# Altium PCB IDC_MCX_Adapter.PCBDOC (part 1 of 2) (continued)
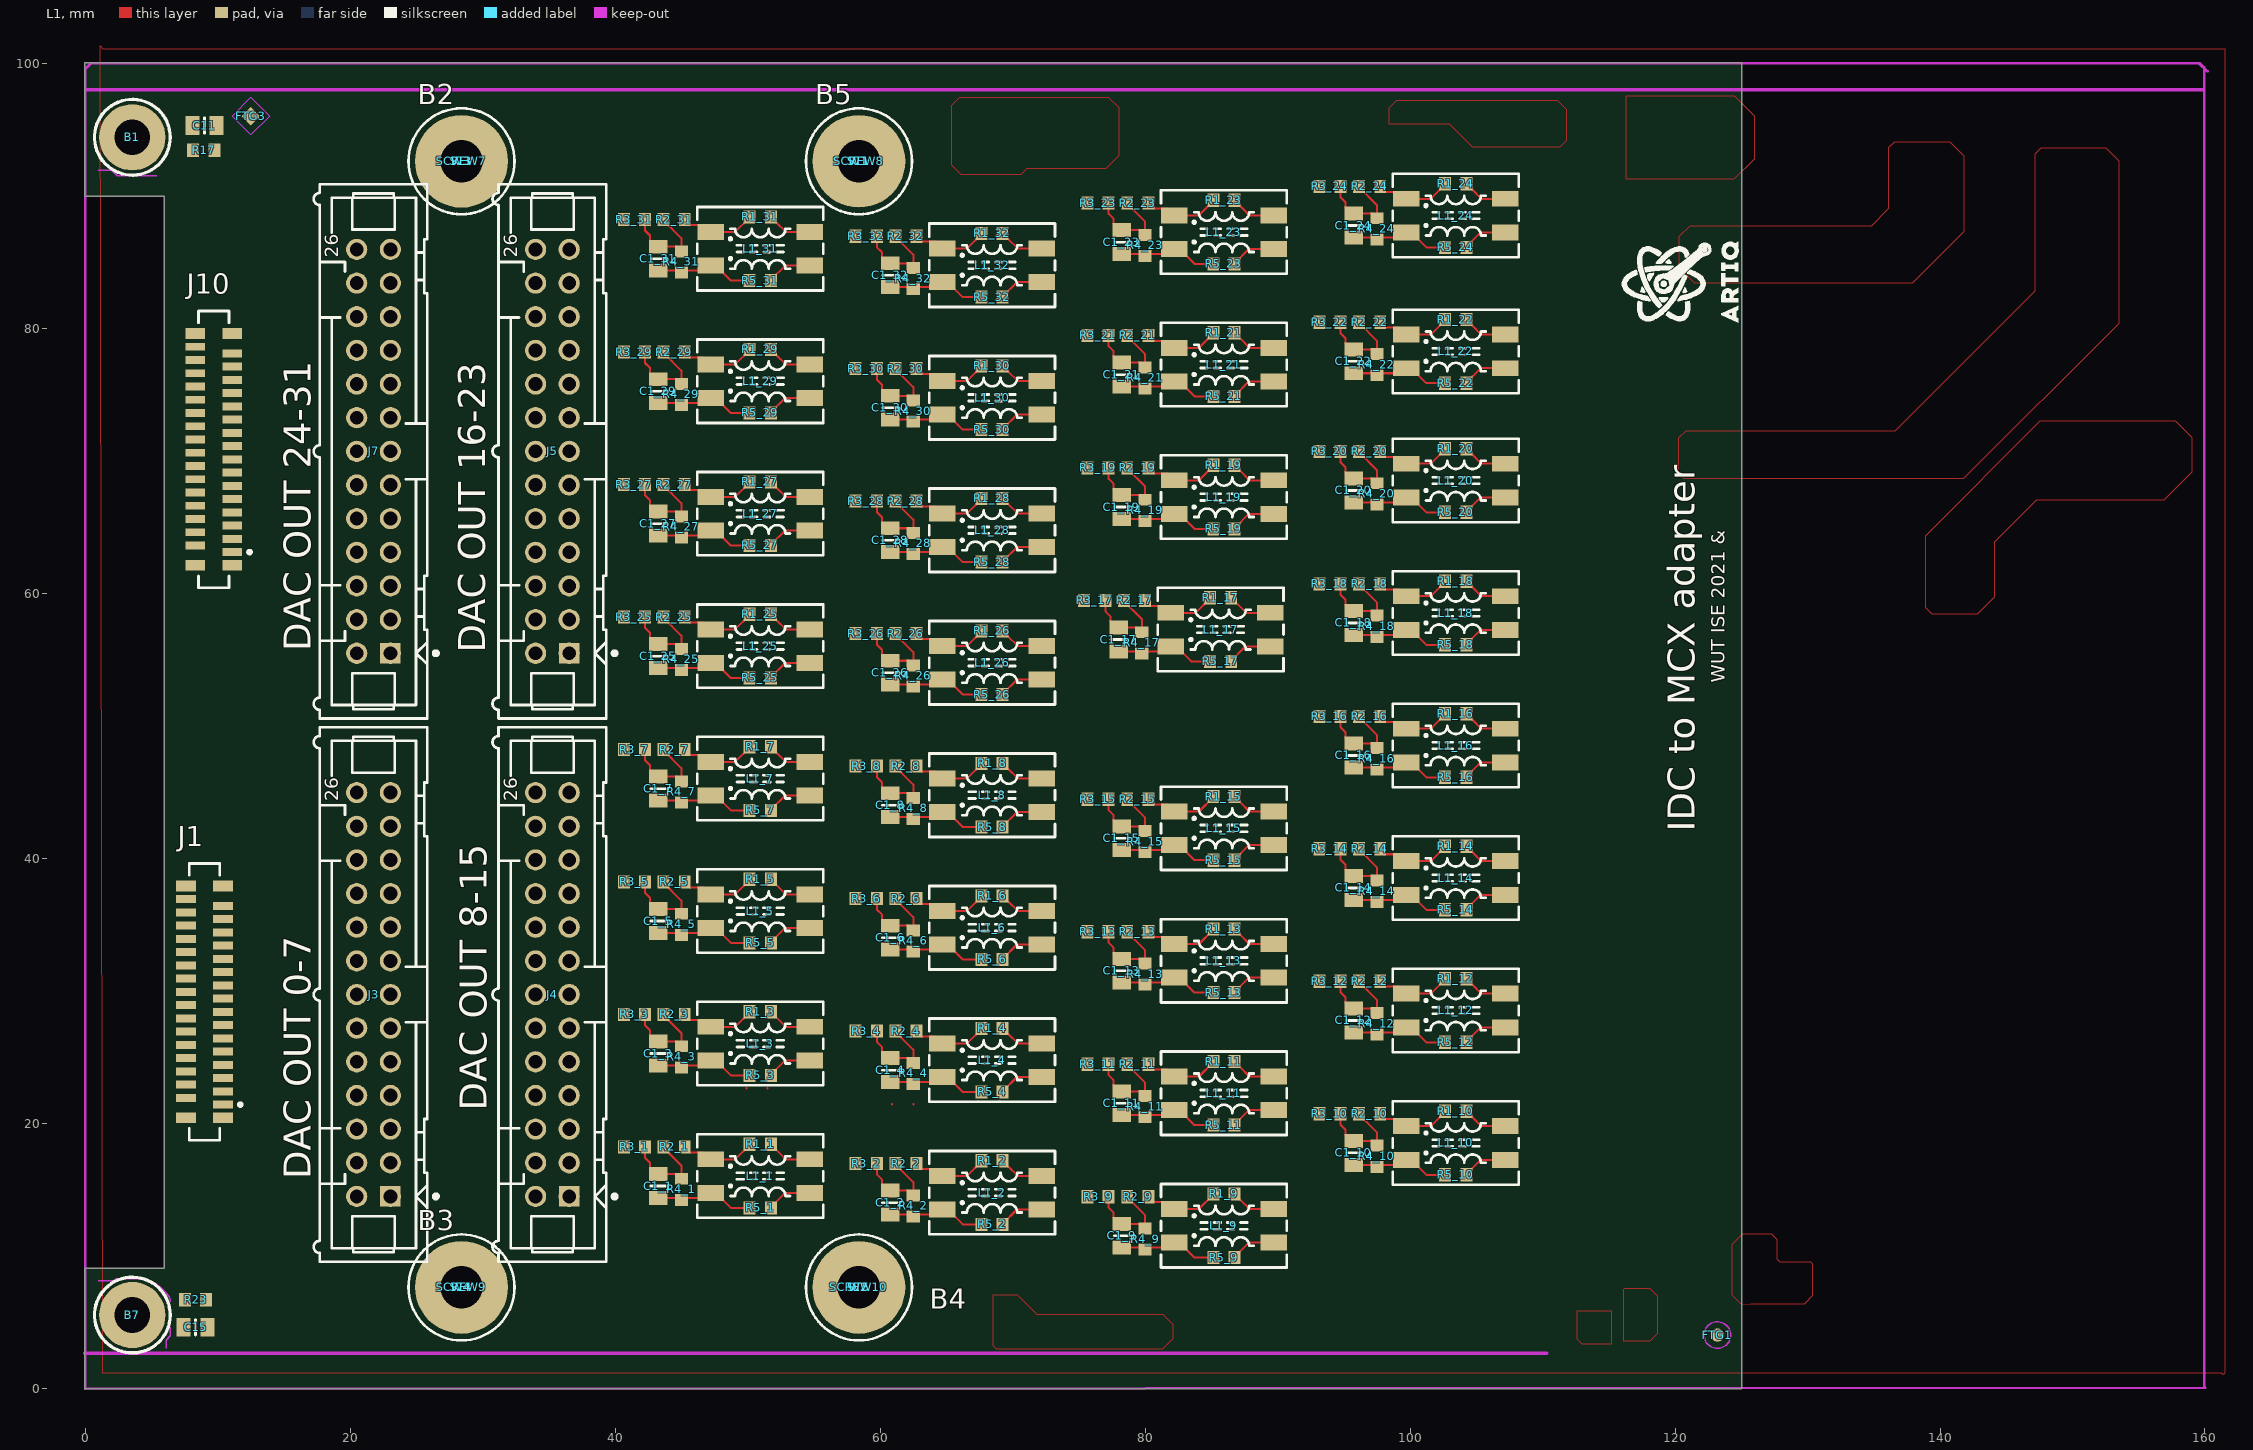
[diagram p0: L1 view]
## Design rules (kind name [scope] priority, off if disabled: settings) (continued)
RoomDefinition U_RLC_filter25 [InComponentClass('U_RLC_filter25')] p9: confinementstyle=ConfineIn formatcopy=TRUE lockcomponents=FALSE outline 40,52.5 56.5,52.5 56.5,59.5 40,59.5
RoomDefinition U_RLC_filter24 [InComponentClass('U_RLC_filter24')] p10: confinementstyle=ConfineIn formatcopy=TRUE lockcomponents=FALSE outline 92.5,85 109,85 109,92 92.5,92
RoomDefinition U_RLC_filter23 [InComponentClass('U_RLC_filter23')] p11: confinementstyle=ConfineIn formatcopy=TRUE lockcomponents=FALSE outline 75,83.75 91.5,83.75 91.5,90.75 75,90.75
RoomDefinition U_RLC_filter22 [InComponentClass('U_RLC_filter22')] p12: confinementstyle=ConfineIn formatcopy=TRUE lockcomponents=FALSE outline 92.5,74.75 109,74.75 109,81.75 92.5,81.75
RoomDefinition U_RLC_filter21 [InComponentClass('U_RLC_filter21')] p13: confinementstyle=ConfineIn formatcopy=TRUE lockcomponents=FALSE outline 75,73.75 91.5,73.75 91.5,80.75 75,80.75
RoomDefinition U_RLC_filter20 [InComponentClass('U_RLC_filter20')] p14: confinementstyle=ConfineIn formatcopy=TRUE lockcomponents=FALSE outline 92.5,65 109,65 109,72 92.5,72
RoomDefinition U_RLC_filter19 [InComponentClass('U_RLC_filter19')] p15: confinementstyle=ConfineIn formatcopy=TRUE lockcomponents=FALSE outline 75,63.75 91.5,63.75 91.5,70.75 75,70.75
RoomDefinition U_RLC_filter18 [InComponentClass('U_RLC_filter18')] p16: confinementstyle=ConfineIn formatcopy=TRUE lockcomponents=FALSE outline 92.5,55 109,55 109,62 92.5,62
RoomDefinition U_RLC_filter17 [InComponentClass('U_RLC_filter17')] p17: confinementstyle=ConfineIn formatcopy=TRUE lockcomponents=FALSE outline 74.75,53.75 91.25,53.75 91.25,60.75 74.75,60.75
RoomDefinition U_RLC_filter16 [InComponentClass('U_RLC_filter16')] p18: confinementstyle=ConfineIn formatcopy=TRUE lockcomponents=FALSE outline 92.5,45 109,45 109,52 92.5,52
RoomDefinition U_RLC_filter15 [InComponentClass('U_RLC_filter15')] p19: confinementstyle=ConfineIn formatcopy=TRUE lockcomponents=FALSE outline 75,38.75 91.5,38.75 91.5,45.75 75,45.75
RoomDefinition U_RLC_filter14 [InComponentClass('U_RLC_filter14')] p20: confinementstyle=ConfineIn formatcopy=TRUE lockcomponents=FALSE outline 92.5,35 109,35 109,42 92.5,42
RoomDefinition U_RLC_filter13 [InComponentClass('U_RLC_filter13')] p21: confinementstyle=ConfineIn formatcopy=TRUE lockcomponents=FALSE outline 75,28.75 91.5,28.75 91.5,35.75 75,35.75
RoomDefinition U_RLC_filter12 [InComponentClass('U_RLC_filter12')] p22: confinementstyle=ConfineIn formatcopy=TRUE lockcomponents=FALSE outline 92.5,25 109,25 109,32 92.5,32
RoomDefinition U_RLC_filter11 [InComponentClass('U_RLC_filter11')] p23: confinementstyle=ConfineIn formatcopy=TRUE lockcomponents=FALSE outline 75,18.75 91.5,18.75 91.5,25.75 75,25.75
RoomDefinition U_RLC_filter10 [InComponentClass('U_RLC_filter10')] p24: confinementstyle=ConfineIn formatcopy=TRUE lockcomponents=FALSE outline 92.5,15 109,15 109,22 92.5,22
RoomDefinition U_RLC_filter9 [InComponentClass('U_RLC_filter9')] p25: confinementstyle=ConfineIn formatcopy=TRUE lockcomponents=FALSE outline 75,8.75 91.5,8.75 91.5,15.75 75,15.75
RoomDefinition U_RLC_filter8 [InComponentClass('U_RLC_filter8')] p26: confinementstyle=ConfineIn formatcopy=TRUE lockcomponents=FALSE outline 57.5,41.25 74,41.25 74,48.25 57.5,48.25
RoomDefinition U_RLC_filter7 [InComponentClass('U_RLC_filter7')] p27: confinementstyle=ConfineIn formatcopy=TRUE lockcomponents=FALSE outline 40,42.5 56.5,42.5 56.5,49.5 40,49.5
RoomDefinition U_RLC_filter6 [InComponentClass('U_RLC_filter6')] p28: confinementstyle=ConfineIn formatcopy=TRUE lockcomponents=FALSE outline 57.5,31.25 74,31.25 74,38.25 57.5,38.25
RoomDefinition U_RLC_filter5 [InComponentClass('U_RLC_filter5')] p29: confinementstyle=ConfineIn formatcopy=TRUE lockcomponents=FALSE outline 40,32.5 56.5,32.5 56.5,39.5 40,39.5
RoomDefinition U_RLC_filter4 [InComponentClass('U_RLC_filter4')] p30: confinementstyle=ConfineIn formatcopy=TRUE lockcomponents=FALSE outline 57.5,21.25 74,21.25 74,28.25 57.5,28.25
RoomDefinition U_RLC_filter3 [InComponentClass('U_RLC_filter3')] p31: confinementstyle=ConfineIn formatcopy=TRUE lockcomponents=FALSE outline 40,22.5 56.5,22.5 56.5,29.5 40,29.5
RoomDefinition U_RLC_filter2 [InComponentClass('U_RLC_filter2')] p32: confinementstyle=ConfineIn formatcopy=TRUE lockcomponents=FALSE outline 57.5,11.25 74,11.25 74,18.25 57.5,18.25
RoomDefinition IDC_MCX_Adapter [InComponentClass('IDC_MCX_Adapter')] p33: confinementstyle=ConfineIn formatcopy=TRUE lockcomponents=FALSE outline 123.75,96.5 116.25,96.5 116.25,89 123.75,89
RoutingVias RoutingVias_HPWR [InNetClass('Hpower')] p1: holewidth=0.4 width=0.7 viastyle="Through Hole" minholewidth=0.2 minwidth=0.4 maxholewidth=0.711 maxwidth=1.27
RoutingVias [All] p2: holewidth=0.2 width=0.5 viastyle="Through Hole" minholewidth=0.2 minwidth=0.4 maxholewidth=0.711 maxwidth=1.27 useviatemplates=TRUE viatemplateguid#1={4A6B9B9C-A221-4A61-AFEA-1AB58807B9F9} viatemplateguid#2={F3562215-08AF-45A8-96CD-7250AE1BA8D5} viatemplateguid#3={143764DB-BCD5-484F-AC7C-9D39B94FD33F} viatemplateguid#4={E9C4ADA8-6542-42D9-ACFE-5114F8ADFE76} viatemplateguid#5={7B51E032-6A0E-440C-B8BE-7DD9CD7CEC12} viatemplateguid#6={1CC6B9B0-955A-412D-9840-9BCA188EE6E6} viatemplatename#1=v40h20m0mx0 viatemplatename#2=v50h20m0mx0 viatemplatename#3=v60h30m0mx0 viatemplatename#4=v70h40m0mx0 viatemplatename#5=v70h50m0mx0 viatemplatename#6=v100h50m0mx0
SilkToSilkClearance [All] p1: silktosilkclearance=0
SilkToSolderMaskClearance SilkscreenOverComponentPads [IsPad] p1: minsilkscreentomaskgap=0 clearancetoexposedcopper=TRUE
SolderMaskExpansion [All] p1: expansion=0.051 istentingtop=FALSE
ViasUnderSMD ViasUnderSMD_allow [HasFootprint('QFN50P300X300X80-17N-S175') or  HasFootprint('SOP50P490X110-11N-R168X198')  or  HasFootprint('SON50P300X300X80-11N-R175X248') or HasFootprint('SON50P200X300X80-11N-R94X250') or HasFootprint('CAPMP3216X180N')   or HasFootprint('SON65P200X200X80-7N-R65X145') or HasFootprint('SON45P300X300X80-13N-R175X248')] p1: allowed=TRUE
ViasUnderSMD [All] p2: allowed=FALSE
Width Width_HPWR [InNetClass('Hpower')] p1: maxlimit=2 minlimit=0.254 preferedwidth=0.508
Width [All] p2: maxlimit=1.27 minlimit=0.127 preferedwidth=0.127
18 further rules are at their usual default settings.

## Classes and differential pairs
channel class RLC_filter: U_RLC_filter1 U_RLC_filter2 U_RLC_filter3 U_RLC_filter4 U_RLC_filter5 U_RLC_filter6 U_RLC_filter7 U_RLC_filter8 U_RLC_filter9 U_RLC_filter10 U_RLC_filter11 U_RLC_filter12 U_RLC_filter13 U_RLC_filter14 U_RLC_filter15 U_RLC_filter16 U_RLC_filter17 U_RLC_filter18 U_RLC_filter19 U_RLC_filter20 U_RLC_filter21 U_RLC_filter22 U_RLC_filter23 U_RLC_filter24 U_RLC_filter25 U_RLC_filter26 U_RLC_filter27 U_RLC_filter28 U_RLC_filter29 U_RLC_filter30 U_RLC_filter31 U_RLC_filter32
net class OUT_P[32..1]: OUT_P1 OUT_P2 OUT_P3 OUT_P4 OUT_P5 OUT_P6 OUT_P7 OUT_P8 OUT_P9 OUT_P10 OUT_P11 OUT_P12 OUT_P13 OUT_P14 OUT_P15 OUT_P16 OUT_P17 OUT_P18 OUT_P19 OUT_P20 OUT_P21 OUT_P22 OUT_P23 OUT_P24 OUT_P25 OUT_P26 OUT_P27 OUT_P28 OUT_P29 OUT_P30 OUT_P31 OUT_P32
net class OUT_N[32..1]: OUT_N1 OUT_N2 OUT_N3 OUT_N4 OUT_N5 OUT_N6 OUT_N7 OUT_N8 OUT_N9 OUT_N10 OUT_N11 OUT_N12 OUT_N13 OUT_N14 OUT_N15 OUT_N16 OUT_N17 OUT_N18 OUT_N19 OUT_N20 OUT_N21 OUT_N22 OUT_N23 OUT_N24 OUT_N25 OUT_N26 OUT_N27 OUT_N28 OUT_N29 OUT_N30 OUT_N31 OUT_N32
net class IN_P[32..1]: IN_P1 IN_P2 IN_P3 IN_P4 IN_P5 IN_P6 IN_P7 IN_P8 IN_P9 IN_P10 IN_P11 IN_P12 IN_P13 IN_P14 IN_P15 IN_P16 IN_P17 IN_P18 IN_P19 IN_P20 IN_P21 IN_P22 IN_P23 IN_P24 IN_P25 IN_P26 IN_P27 IN_P28 IN_P29 IN_P30 IN_P31 IN_P32
net class IN_N[32..1]: IN_N1 IN_N2 IN_N3 IN_N4 IN_N5 IN_N6 IN_N7 IN_N8 IN_N9 IN_N10 IN_N11 IN_N12 IN_N13 IN_N14 IN_N15 IN_N16 IN_N17 IN_N18 IN_N19 IN_N20 IN_N21 IN_N22 IN_N23 IN_N24 IN_N25 IN_N26 IN_N27 IN_N28 IN_N29 IN_N30 IN_N31 IN_N32
component class U_RLC_filter32: C1_32 L1_32 R1_32 R2_32 R3_32 R4_32 R5_32
component class U_RLC_filter31: C1_31 L1_31 R1_31 R2_31 R3_31 R4_31 R5_31
component class U_RLC_filter30: C1_30 L1_30 R1_30 R2_30 R3_30 R4_30 R5_30
component class U_RLC_filter29: C1_29 L1_29 R1_29 R2_29 R3_29 R4_29 R5_29
component class U_RLC_filter28: C1_28 L1_28 R1_28 R2_28 R3_28 R4_28 R5_28
component class U_RLC_filter27: C1_27 L1_27 R1_27 R2_27 R3_27 R4_27 R5_27
component class U_RLC_filter26: C1_26 L1_26 R1_26 R2_26 R3_26 R4_26 R5_26
component class U_RLC_filter25: C1_25 L1_25 R1_25 R2_25 R3_25 R4_25 R5_25
component class U_RLC_filter24: C1_24 L1_24 R1_24 R2_24 R3_24 R4_24 R5_24
component class U_RLC_filter23: C1_23 L1_23 R1_23 R2_23 R3_23 R4_23 R5_23
component class U_RLC_filter22: C1_22 L1_22 R1_22 R2_22 R3_22 R4_22 R5_22
component class U_RLC_filter21: C1_21 L1_21 R1_21 R2_21 R3_21 R4_21 R5_21
component class U_RLC_filter20: C1_20 L1_20 R1_20 R2_20 R3_20 R4_20 R5_20
component class U_RLC_filter19: C1_19 L1_19 R1_19 R2_19 R3_19 R4_19 R5_19
component class U_RLC_filter18: C1_18 L1_18 R1_18 R2_18 R3_18 R4_18 R5_18
component class U_RLC_filter17: C1_17 L1_17 R1_17 R2_17 R3_17 R4_17 R5_17
component class U_RLC_filter16: C1_16 L1_16 R1_16 R2_16 R3_16 R4_16 R5_16
component class U_RLC_filter15: C1_15 L1_15 R1_15 R2_15 R3_15 R4_15 R5_15
component class U_RLC_filter14: C1_14 L1_14 R1_14 R2_14 R3_14 R4_14 R5_14
component class U_RLC_filter13: C1_13 L1_13 R1_13 R2_13 R3_13 R4_13 R5_13
component class U_RLC_filter12: C1_12 L1_12 R1_12 R2_12 R3_12 R4_12 R5_12
component class U_RLC_filter11: C1_11 L1_11 R1_11 R2_11 R3_11 R4_11 R5_11
component class U_RLC_filter10: C1_10 L1_10 R1_10 R2_10 R3_10 R4_10 R5_10
component class U_RLC_filter9: C1_9 L1_9 R1_9 R2_9 R3_9 R4_9 R5_9
component class U_RLC_filter8: C1_8 L1_8 R1_8 R2_8 R3_8 R4_8 R5_8
component class U_RLC_filter7: C1_7 L1_7 R1_7 R2_7 R3_7 R4_7 R5_7
component class U_RLC_filter6: C1_6 L1_6 R1_6 R2_6 R3_6 R4_6 R5_6
component class U_RLC_filter5: C1_5 L1_5 R1_5 R2_5 R3_5 R4_5 R5_5
component class U_RLC_filter4: C1_4 L1_4 R1_4 R2_4 R3_4 R4_4 R5_4
component class U_RLC_filter3: C1_3 L1_3 R1_3 R2_3 R3_3 R4_3 R5_3
component class U_RLC_filter2: C1_2 L1_2 R1_2 R2_2 R3_2 R4_2 R5_2
component class U_RLC_filter1: C1_1 L1_1 R1_1 R2_1 R3_1 R4_1 R5_1
component class IDC_MCX_Adapter: B1 B2 B3 B4 B5 B7 B? C11 C15 FTG1 FTG2 FTG3 FTG4 J1 J2 J3 J4 J5 J6 J7 J8 J9 J10 R17 R23 SCREW3 SCREW4 SCREW5 SCREW6 SCREW7 SCREW8 SCREW9 SCREW10 ST1 ST3 ST4 ST5 W1 W2 W3 W4
differential pair OUT32: +OUT_P32 -OUT_N32
differential pair OUT31: +OUT_P31 -OUT_N31
differential pair OUT30: +OUT_P30 -OUT_N30
differential pair OUT29: +OUT_P29 -OUT_N29
differential pair OUT28: +OUT_P28 -OUT_N28
differential pair OUT27: +OUT_P27 -OUT_N27
differential pair OUT26: +OUT_P26 -OUT_N26
differential pair OUT25: +OUT_P25 -OUT_N25
differential pair OUT24: +OUT_P24 -OUT_N24
differential pair OUT23: +OUT_P23 -OUT_N23
differential pair OUT22: +OUT_P22 -OUT_N22
differential pair OUT21: +OUT_P21 -OUT_N21
differential pair OUT20: +OUT_P20 -OUT_N20
differential pair OUT19: +OUT_P19 -OUT_N19
differential pair OUT18: +OUT_P18 -OUT_N18
differential pair OUT17: +OUT_P17 -OUT_N17
differential pair OUT16: +OUT_P16 -OUT_N16
differential pair OUT15: +OUT_P15 -OUT_N15
differential pair OUT14: +OUT_P14 -OUT_N14
differential pair OUT13: +OUT_P13 -OUT_N13
differential pair OUT12: +OUT_P12 -OUT_N12
differential pair OUT11: +OUT_P11 -OUT_N11
differential pair OUT10: +OUT_P10 -OUT_N10
differential pair OUT9: +OUT_P9 -OUT_N9
differential pair OUT8: +OUT_P8 -OUT_N8
differential pair OUT7: +OUT_P7 -OUT_N7
differential pair OUT6: +OUT_P6 -OUT_N6
differential pair OUT5: +OUT_P5 -OUT_N5
differential pair OUT4: +OUT_P4 -OUT_N4
differential pair OUT3: +OUT_P3 -OUT_N3
differential pair OUT2: +OUT_P2 -OUT_N2
differential pair OUT1: +OUT_P1 -OUT_N1

## Components (designator, comment, footprint, x,y, rotation, side; value= is the part's Value field where it differs from the comment)
B1 "Plated Hole" MTG270_500 3.556,94.412 r0 top locked
B2 "Plated Hole" MTG320_700 28.4,92.6 r0 top
B3 "Plated Hole" MTG320_700 28.4,7.6 r0 top
B4 "Plated Hole" MTG320_700 58.4,7.6 r0 top
B5 "Plated Hole" MTG320_700 58.4,92.6 r0 top
B7 "Plated Hole" MTG270_500 3.556,5.512 r0 top locked
C1_1 "Undefined" CAPC2012X135N 43.25,15.25 r90 top (schematic designator C1)
C1_2 "Undefined" CAPC2012X135N 60.75,14 r90 top (schematic designator C1)
C1_3 "Undefined" CAPC2012X135N 43.25,25.25 r90 top (schematic designator C1)
C1_4 "Undefined" CAPC2012X135N 60.75,24 r90 top (schematic designator C1)
C1_5 "Undefined" CAPC2012X135N 43.25,35.25 r90 top (schematic designator C1)
C1_6 "Undefined" CAPC2012X135N 60.75,34 r90 top (schematic designator C1)
C1_7 "Undefined" CAPC2012X135N 43.25,45.25 r90 top (schematic designator C1)
C1_8 "Undefined" CAPC2012X135N 60.75,44 r90 top (schematic designator C1)
C1_9 "Undefined" CAPC2012X135N 78.25,11.5 r90 top (schematic designator C1)
C1_10 "Undefined" CAPC2012X135N 95.75,17.75 r90 top (schematic designator C1)
C1_11 "Undefined" CAPC2012X135N 78.25,21.5 r90 top (schematic designator C1)
C1_12 "Undefined" CAPC2012X135N 95.75,27.75 r90 top (schematic designator C1)
C1_13 "Undefined" CAPC2012X135N 78.25,31.5 r90 top (schematic designator C1)
C1_14 "Undefined" CAPC2012X135N 95.75,37.75 r90 top (schematic designator C1)
C1_15 "Undefined" CAPC2012X135N 78.25,41.5 r90 top (schematic designator C1)
C1_16 "Undefined" CAPC2012X135N 95.75,47.75 r90 top (schematic designator C1)
C1_17 "Undefined" CAPC2012X135N 78,56.5 r90 top (schematic designator C1)
C1_18 "Undefined" CAPC2012X135N 95.75,57.75 r90 top (schematic designator C1)
C1_19 "Undefined" CAPC2012X135N 78.25,66.5 r90 top (schematic designator C1)
C1_20 "Undefined" CAPC2012X135N 95.75,67.75 r90 top (schematic designator C1)
C1_21 "Undefined" CAPC2012X135N 78.25,76.5 r90 top (schematic designator C1)
C1_22 "Undefined" CAPC2012X135N 95.75,77.5 r90 top (schematic designator C1)
C1_23 "Undefined" CAPC2012X135N 78.25,86.5 r90 top (schematic designator C1)
C1_24 "Undefined" CAPC2012X135N 95.75,87.75 r90 top (schematic designator C1)
C1_25 "Undefined" CAPC2012X135N 43.25,55.25 r90 top (schematic designator C1)
C1_26 "Undefined" CAPC2012X135N 60.75,54 r90 top (schematic designator C1)
C1_27 "Undefined" CAPC2012X135N 43.25,65.25 r90 top (schematic designator C1)
C1_28 "Undefined" CAPC2012X135N 60.75,64 r90 top (schematic designator C1)
C1_29 "Undefined" CAPC2012X135N 43.25,75.25 r90 top (schematic designator C1)
C1_30 "Undefined" CAPC2012X135N 60.75,74 r90 top (schematic designator C1)
C1_31 "Undefined" CAPC2012X135N 43.25,85.25 r90 top (schematic designator C1)
C1_32 "Undefined" CAPC2012X135N 60.75,84 r90 top (schematic designator C1)
C11 "Undefined" CAPC2012X135N 9,95.3 r0 top
C15 "Undefined" CAPC2012X135N 8.324,4.581 r0 top
FTG1 "Use only in PCB" FIDUCIAL_TOP_C100-200 123.2,4 r90 top
FTG2 "Use only in PCB" FIDUCIAL_TOP_S100-200 12.5,96 r90 bottom
FTG3 "Use only in PCB" FIDUCIAL_TOP_S100-200 12.5,96 r90 top
FTG4 "Use only in PCB" FIDUCIAL_TOP_S100-200 123.2,4.3 r90 bottom
J1 "52559-3252" MOLX-52559-3252 9,29.15 r90 top
J2 "ESW-113-23-L-D" SMTC-ESW-113-23-X-D 36.532,55.466 r90 bottom
J3 "Header 26" 3M_N2526-6002RB 21.763,29.706 r90 top locked
J4 "Header 26" 3M_N2526-6002RB 35.263,29.706 r90 top
J5 "Header 26" 3M_N2526-6002RB 35.263,70.706 r90 top locked
J6 "ESW-113-23-L-D" SMTC-ESW-113-23-X-D 36.532,14.466 r90 bottom
J7 "Header 26" 3M_N2526-6002RB 21.763,70.706 r90 top
J8 "ESW-113-23-L-D" SMTC-ESW-113-23-X-D 23.032,55.466 r90 bottom
J9 "ESW-113-23-L-D" SMTC-ESW-113-23-X-D 23.032,14.466 r90 bottom
J10 "52559-3252" MOLX-52559-3252 9.7,70.85 r90 top
L1_1 "2x6.5mH" IND_WURTH_WE-SL2 50.95,16 r0 top (schematic designator L1)
L1_2 "2x6.5mH" IND_WURTH_WE-SL2 68.45,14.75 r0 top (schematic designator L1)
L1_3 "2x6.5mH" IND_WURTH_WE-SL2 50.95,26 r0 top (schematic designator L1)
L1_4 "2x6.5mH" IND_WURTH_WE-SL2 68.45,24.75 r0 top (schematic designator L1)
L1_5 "2x6.5mH" IND_WURTH_WE-SL2 50.95,36 r0 top (schematic designator L1)
L1_6 "2x6.5mH" IND_WURTH_WE-SL2 68.45,34.75 r0 top (schematic designator L1)
L1_7 "2x6.5mH" IND_WURTH_WE-SL2 50.95,46 r0 top (schematic designator L1)
L1_8 "2x6.5mH" IND_WURTH_WE-SL2 68.45,44.75 r0 top (schematic designator L1)
L1_9 "2x6.5mH" IND_WURTH_WE-SL2 85.95,12.25 r0 top (schematic designator L1)
L1_10 "2x6.5mH" IND_WURTH_WE-SL2 103.45,18.5 r0 top (schematic designator L1)
L1_11 "2x6.5mH" IND_WURTH_WE-SL2 85.95,22.25 r0 top (schematic designator L1)
L1_12 "2x6.5mH" IND_WURTH_WE-SL2 103.45,28.5 r0 top (schematic designator L1)
L1_13 "2x6.5mH" IND_WURTH_WE-SL2 85.95,32.25 r0 top (schematic designator L1)
L1_14 "2x6.5mH" IND_WURTH_WE-SL2 103.45,38.5 r0 top (schematic designator L1)
L1_15 "2x6.5mH" IND_WURTH_WE-SL2 85.95,42.25 r0 top (schematic designator L1)
L1_16 "2x6.5mH" IND_WURTH_WE-SL2 103.45,48.5 r0 top (schematic designator L1)
L1_17 "2x6.5mH" IND_WURTH_WE-SL2 85.7,57.25 r0 top (schematic designator L1)
L1_18 "2x6.5mH" IND_WURTH_WE-SL2 103.45,58.5 r0 top (schematic designator L1)
L1_19 "2x6.5mH" IND_WURTH_WE-SL2 85.95,67.25 r0 top (schematic designator L1)
L1_20 "2x6.5mH" IND_WURTH_WE-SL2 103.45,68.5 r0 top (schematic designator L1)
L1_21 "2x6.5mH" IND_WURTH_WE-SL2 85.95,77.25 r0 top (schematic designator L1)
L1_22 "2x6.5mH" IND_WURTH_WE-SL2 103.45,78.25 r0 top (schematic designator L1)
L1_23 "2x6.5mH" IND_WURTH_WE-SL2 85.95,87.25 r0 top (schematic designator L1)
L1_24 "2x6.5mH" IND_WURTH_WE-SL2 103.45,88.5 r0 top (schematic designator L1)
L1_25 "2x6.5mH" IND_WURTH_WE-SL2 50.95,56 r0 top (schematic designator L1)
L1_26 "2x6.5mH" IND_WURTH_WE-SL2 68.45,54.75 r0 top (schematic designator L1)
L1_27 "2x6.5mH" IND_WURTH_WE-SL2 50.95,66 r0 top (schematic designator L1)
L1_28 "2x6.5mH" IND_WURTH_WE-SL2 68.45,64.75 r0 top (schematic designator L1)
L1_29 "2x6.5mH" IND_WURTH_WE-SL2 50.95,76 r0 top (schematic designator L1)
L1_30 "2x6.5mH" IND_WURTH_WE-SL2 68.45,74.75 r0 top (schematic designator L1)
L1_31 "2x6.5mH" IND_WURTH_WE-SL2 50.95,86 r0 top (schematic designator L1)
L1_32 "2x6.5mH" IND_WURTH_WE-SL2 68.45,84.75 r0 top (schematic designator L1)
R1_1 "0" RESC1608X55N 50.95,18.4 r0 top (schematic designator R1)
R1_2 "0" RESC1608X55N 68.45,17.15 r0 top (schematic designator R1)
R1_3 "0" RESC1608X55N 50.95,28.4 r0 top (schematic designator R1)
R1_4 "0" RESC1608X55N 68.45,27.15 r0 top (schematic designator R1)
R1_5 "0" RESC1608X55N 50.95,38.4 r0 top (schematic designator R1)
R1_6 "0" RESC1608X55N 68.45,37.15 r0 top (schematic designator R1)
R1_7 "0" RESC1608X55N 50.95,48.4 r0 top (schematic designator R1)
R1_8 "0" RESC1608X55N 68.45,47.15 r0 top (schematic designator R1)
R1_9 "0" RESC1608X55N 85.95,14.65 r0 top (schematic designator R1)
R1_10 "0" RESC1608X55N 103.45,20.9 r0 top (schematic designator R1)
R1_11 "0" RESC1608X55N 85.95,24.65 r0 top (schematic designator R1)
R1_12 "0" RESC1608X55N 103.45,30.9 r0 top (schematic designator R1)
R1_13 "0" RESC1608X55N 85.95,34.65 r0 top (schematic designator R1)
R1_14 "0" RESC1608X55N 103.45,40.9 r0 top (schematic designator R1)
R1_15 "0" RESC1608X55N 85.95,44.65 r0 top (schematic designator R1)
R1_16 "0" RESC1608X55N 103.45,50.9 r0 top (schematic designator R1)
R1_17 "0" RESC1608X55N 85.7,59.65 r0 top (schematic designator R1)
R1_18 "0" RESC1608X55N 103.45,60.9 r0 top (schematic designator R1)
R1_19 "0" RESC1608X55N 85.95,69.65 r0 top (schematic designator R1)
R1_20 "0" RESC1608X55N 103.45,70.9 r0 top (schematic designator R1)
R1_21 "0" RESC1608X55N 85.95,79.65 r0 top (schematic designator R1)
R1_22 "0" RESC1608X55N 103.45,80.65 r0 top (schematic designator R1)
R1_23 "0" RESC1608X55N 85.95,89.65 r0 top (schematic designator R1)
R1_24 "0" RESC1608X55N 103.45,90.9 r0 top (schematic designator R1)
R1_25 "0" RESC1608X55N 50.95,58.4 r0 top (schematic designator R1)
R1_26 "0" RESC1608X55N 68.45,57.15 r0 top (schematic designator R1)
R1_27 "0" RESC1608X55N 50.95,68.4 r0 top (schematic designator R1)
R1_28 "0" RESC1608X55N 68.45,67.15 r0 top (schematic designator R1)
R1_29 "0" RESC1608X55N 50.95,78.4 r0 top (schematic designator R1)
R1_30 "0" RESC1608X55N 68.45,77.15 r0 top (schematic designator R1)
R1_31 "0" RESC1608X55N 50.95,88.4 r0 top (schematic designator R1)
R1_32 "0" RESC1608X55N 68.45,87.15 r0 top (schematic designator R1)
R2_1 "0" RESC1608X55N 44.45,18.2 r0 top (schematic designator R2)
R2_2 "0" RESC1608X55N 61.95,16.95 r0 top (schematic designator R2)
R2_3 "0" RESC1608X55N 44.45,28.2 r0 top (schematic designator R2)
R2_4 "0" RESC1608X55N 61.95,26.95 r0 top (schematic designator R2)
R2_5 "0" RESC1608X55N 44.45,38.2 r0 top (schematic designator R2)
R2_6 "0" RESC1608X55N 61.95,36.95 r0 top (schematic designator R2)
R2_7 "0" RESC1608X55N 44.45,48.2 r0 top (schematic designator R2)
R2_8 "0" RESC1608X55N 61.95,46.95 r0 top (schematic designator R2)
R2_9 "0" RESC1608X55N 79.45,14.45 r0 top (schematic designator R2)
R2_10 "0" RESC1608X55N 96.95,20.7 r0 top (schematic designator R2)
R2_11 "0" RESC1608X55N 79.45,24.45 r0 top (schematic designator R2)
R2_12 "0" RESC1608X55N 96.95,30.7 r0 top (schematic designator R2)
R2_13 "0" RESC1608X55N 79.45,34.45 r0 top (schematic designator R2)
R2_14 "0" RESC1608X55N 96.95,40.7 r0 top (schematic designator R2)
R2_15 "0" RESC1608X55N 79.45,44.45 r0 top (schematic designator R2)
R2_16 "0" RESC1608X55N 96.95,50.7 r0 top (schematic designator R2)
R2_17 "0" RESC1608X55N 79.2,59.45 r0 top (schematic designator R2)
R2_18 "0" RESC1608X55N 96.95,60.7 r0 top (schematic designator R2)
R2_19 "0" RESC1608X55N 79.45,69.45 r0 top (schematic designator R2)
R2_20 "0" RESC1608X55N 96.95,70.7 r0 top (schematic designator R2)
R2_21 "0" RESC1608X55N 79.45,79.45 r0 top (schematic designator R2)
R2_22 "0" RESC1608X55N 96.95,80.45 r0 top (schematic designator R2)
R2_23 "0" RESC1608X55N 79.45,89.45 r0 top (schematic designator R2)
R2_24 "0" RESC1608X55N 96.95,90.7 r0 top (schematic designator R2)
R2_25 "0" RESC1608X55N 44.45,58.2 r0 top (schematic designator R2)
R2_26 "0" RESC1608X55N 61.95,56.95 r0 top (schematic designator R2)
R2_27 "0" RESC1608X55N 44.45,68.2 r0 top (schematic designator R2)
R2_28 "0" RESC1608X55N 61.95,66.95 r0 top (schematic designator R2)
R2_29 "0" RESC1608X55N 44.45,78.2 r0 top (schematic designator R2)
R2_30 "0" RESC1608X55N 61.95,76.95 r0 top (schematic designator R2)
R2_31 "0" RESC1608X55N 44.45,88.2 r0 top (schematic designator R2)
R2_32 "0" RESC1608X55N 61.95,86.95 r0 top (schematic designator R2)
R3_1 "0" RESC1608X55N 41.45,18.2 r0 top (schematic designator R3)
R3_2 "0" RESC1608X55N 58.95,16.95 r0 top (schematic designator R3)
R3_3 "0" RESC1608X55N 41.45,28.2 r0 top (schematic designator R3)
R3_4 "0" RESC1608X55N 58.95,26.95 r0 top (schematic designator R3)
R3_5 "0" RESC1608X55N 41.45,38.2 r0 top (schematic designator R3)
R3_6 "0" RESC1608X55N 58.95,36.95 r0 top (schematic designator R3)
R3_7 "0" RESC1608X55N 41.45,48.2 r0 top (schematic designator R3)
R3_8 "0" RESC1608X55N 58.95,46.95 r0 top (schematic designator R3)
R3_9 "0" RESC1608X55N 76.45,14.45 r0 top (schematic designator R3)
R3_10 "0" RESC1608X55N 93.95,20.7 r0 top (schematic designator R3)
R3_11 "0" RESC1608X55N 76.45,24.45 r0 top (schematic designator R3)
R3_12 "0" RESC1608X55N 93.95,30.7 r0 top (schematic designator R3)
R3_13 "0" RESC1608X55N 76.45,34.45 r0 top (schematic designator R3)
R3_14 "0" RESC1608X55N 93.95,40.7 r0 top (schematic designator R3)
R3_15 "0" RESC1608X55N 76.45,44.45 r0 top (schematic designator R3)
R3_16 "0" RESC1608X55N 93.95,50.7 r0 top (schematic designator R3)
R3_17 "0" RESC1608X55N 76.2,59.45 r0 top (schematic designator R3)
R3_18 "0" RESC1608X55N 93.95,60.7 r0 top (schematic designator R3)
R3_19 "0" RESC1608X55N 76.45,69.45 r0 top (schematic designator R3)
R3_20 "0" RESC1608X55N 93.95,70.7 r0 top (schematic designator R3)
R3_21 "0" RESC1608X55N 76.45,79.45 r0 top (schematic designator R3)
R3_22 "0" RESC1608X55N 93.95,80.45 r0 top (schematic designator R3)
R3_23 "0" RESC1608X55N 76.45,89.45 r0 top (schematic designator R3)
R3_24 "0" RESC1608X55N 93.95,90.7 r0 top (schematic designator R3)
R3_25 "0" RESC1608X55N 41.45,58.2 r0 top (schematic designator R3)
R3_26 "0" RESC1608X55N 58.95,56.95 r0 top (schematic designator R3)
R3_27 "0" RESC1608X55N 41.45,68.2 r0 top (schematic designator R3)
R3_28 "0" RESC1608X55N 58.95,66.95 r0 top (schematic designator R3)
R3_29 "0" RESC1608X55N 41.45,78.2 r0 top (schematic designator R3)
R3_30 "0" RESC1608X55N 58.95,76.95 r0 top (schematic designator R3)
R3_31 "0" RESC1608X55N 41.45,88.2 r0 top (schematic designator R3)
R3_32 "0" RESC1608X55N 58.95,86.95 r0 top (schematic designator R3)
R4_1 "Undefined" RESC1608X55N 45,15 r90 top (schematic designator R4)
R4_2 "Undefined" RESC1608X55N 62.5,13.75 r90 top (schematic designator R4)
R4_3 "Undefined" RESC1608X55N 45,25 r90 top (schematic designator R4)
R4_4 "Undefined" RESC1608X55N 62.5,23.75 r90 top (schematic designator R4)
R4_5 "Undefined" RESC1608X55N 45,35 r90 top (schematic designator R4)
R4_6 "Undefined" RESC1608X55N 62.5,33.75 r90 top (schematic designator R4)
R4_7 "Undefined" RESC1608X55N 45,45 r90 top (schematic designator R4)
R4_8 "Undefined" RESC1608X55N 62.5,43.75 r90 top (schematic designator R4)
R4_9 "Undefined" RESC1608X55N 80,11.25 r90 top (schematic designator R4)
R4_10 "Undefined" RESC1608X55N 97.5,17.5 r90 top (schematic designator R4)
R4_11 "Undefined" RESC1608X55N 80,21.25 r90 top (schematic designator R4)
R4_12 "Undefined" RESC1608X55N 97.5,27.5 r90 top (schematic designator R4)
R4_13 "Undefined" RESC1608X55N 80,31.25 r90 top (schematic designator R4)
R4_14 "Undefined" RESC1608X55N 97.5,37.5 r90 top (schematic designator R4)
R4_15 "Undefined" RESC1608X55N 80,41.25 r90 top (schematic designator R4)
R4_16 "Undefined" RESC1608X55N 97.5,47.5 r90 top (schematic designator R4)
R4_17 "Undefined" RESC1608X55N 79.75,56.25 r90 top (schematic designator R4)
R4_18 "Undefined" RESC1608X55N 97.5,57.5 r90 top (schematic designator R4)
R4_19 "Undefined" RESC1608X55N 80,66.25 r90 top (schematic designator R4)
R4_20 "Undefined" RESC1608X55N 97.5,67.5 r90 top (schematic designator R4)
R4_21 "Undefined" RESC1608X55N 80,76.25 r90 top (schematic designator R4)
R4_22 "Undefined" RESC1608X55N 97.5,77.25 r90 top (schematic designator R4)
R4_23 "Undefined" RESC1608X55N 80,86.25 r90 top (schematic designator R4)
R4_24 "Undefined" RESC1608X55N 97.5,87.5 r90 top (schematic designator R4)
R4_25 "Undefined" RESC1608X55N 45,55 r90 top (schematic designator R4)
R4_26 "Undefined" RESC1608X55N 62.5,53.75 r90 top (schematic designator R4)
R4_27 "Undefined" RESC1608X55N 45,65 r90 top (schematic designator R4)
R4_28 "Undefined" RESC1608X55N 62.5,63.75 r90 top (schematic designator R4)
R4_29 "Undefined" RESC1608X55N 45,75 r90 top (schematic designator R4)
R4_30 "Undefined" RESC1608X55N 62.5,73.75 r90 top (schematic designator R4)
R4_31 "Undefined" RESC1608X55N 45,85 r90 top (schematic designator R4)
R4_32 "Undefined" RESC1608X55N 62.5,83.75 r90 top (schematic designator R4)
R5_1 "0" RESC1608X55N 50.95,13.6 r0 top (schematic designator R5)
R5_2 "0" RESC1608X55N 68.45,12.35 r0 top (schematic designator R5)
R5_3 "0" RESC1608X55N 50.95,23.6 r0 top (schematic designator R5)
R5_4 "0" RESC1608X55N 68.45,22.35 r0 top (schematic designator R5)
R5_5 "0" RESC1608X55N 50.95,33.6 r0 top (schematic designator R5)
R5_6 "0" RESC1608X55N 68.45,32.35 r0 top (schematic designator R5)
R5_7 "0" RESC1608X55N 50.95,43.6 r0 top (schematic designator R5)
R5_8 "0" RESC1608X55N 68.45,42.35 r0 top (schematic designator R5)
R5_9 "0" RESC1608X55N 85.95,9.85 r0 top (schematic designator R5)
R5_10 "0" RESC1608X55N 103.45,16.1 r0 top (schematic designator R5)
R5_11 "0" RESC1608X55N 85.95,19.85 r0 top (schematic designator R5)
R5_12 "0" RESC1608X55N 103.45,26.1 r0 top (schematic designator R5)
R5_13 "0" RESC1608X55N 85.95,29.85 r0 top (schematic designator R5)
R5_14 "0" RESC1608X55N 103.45,36.1 r0 top (schematic designator R5)
R5_15 "0" RESC1608X55N 85.95,39.85 r0 top (schematic designator R5)
R5_16 "0" RESC1608X55N 103.45,46.1 r0 top (schematic designator R5)
R5_17 "0" RESC1608X55N 85.7,54.85 r0 top (schematic designator R5)
R5_18 "0" RESC1608X55N 103.45,56.1 r0 top (schematic designator R5)
R5_19 "0" RESC1608X55N 85.95,64.85 r0 top (schematic designator R5)
R5_20 "0" RESC1608X55N 103.45,66.1 r0 top (schematic designator R5)
R5_21 "0" RESC1608X55N 85.95,74.85 r0 top (schematic designator R5)
R5_22 "0" RESC1608X55N 103.45,75.85 r0 top (schematic designator R5)
R5_23 "0" RESC1608X55N 85.95,84.85 r0 top (schematic designator R5)
R5_24 "0" RESC1608X55N 103.45,86.1 r0 top (schematic designator R5)
R5_25 "0" RESC1608X55N 50.95,53.6 r0 top (schematic designator R5)
R5_26 "0" RESC1608X55N 68.45,52.35 r0 top (schematic designator R5)
R5_27 "0" RESC1608X55N 50.95,63.6 r0 top (schematic designator R5)
R5_28 "0" RESC1608X55N 68.45,62.35 r0 top (schematic designator R5)
R5_29 "0" RESC1608X55N 50.95,73.6 r0 top (schematic designator R5)
R5_30 "0" RESC1608X55N 68.45,72.35 r0 top (schematic designator R5)
R5_31 "0" RESC1608X55N 50.95,83.6 r0 top (schematic designator R5)
R5_32 "0" RESC1608X55N 68.45,82.35 r0 top (schematic designator R5)
R17 "0" RESC1608X55N 8.942,93.44 r180 top
R23 "0" RESC1608X55N 8.324,6.673 r180 top
SCREW3 "M3x6" BOSSARD_BN5687-3061605_v 28.4,92.6 r180 bottom
SCREW4 "M3x6" BOSSARD_BN5687-3061605_v 58.4,7.6 r180 bottom
SCREW5 "M3x6" BOSSARD_BN5687-3061605_v 28.4,7.6 r180 bottom
SCREW6 "M3x6" BOSSARD_BN5687-3061605_v 58.4,92.6 r180 bottom
SCREW7 "M3x6" BOSSARD_BN5687-3061605_v 28.4,92.6 r0 top
SCREW8 "M3x6" BOSSARD_BN5687-3061605_v 58.4,92.6 r0 top
SCREW9 "M3x6" BOSSARD_BN5687-3061605_v 28.4,7.6 r0 top
SCREW10 "M3x6" BOSSARD_BN5687-3061605_v 58.4,7.6 r0 top
ST1 "M3 18mm" R30-1001802 58.4,92.6 r0 top
ST3 "M3 18mm" R30-1001802 28.4,92.6 r0 top
ST4 "M3 18mm" R30-1001802 28.4,7.6 r0 top
ST5 "M3 18mm" R30-1001802 58.4,7.6 r0 top
W1 "washer_M3_6mm_0.8mm" washer_M3_6mm_0.8mm 58.4,92.6 r0 top
W2 "washer_M3_6mm_0.8mm" washer_M3_6mm_0.8mm 58.4,7.6 r0 top
W3 "washer_M3_6mm_0.8mm" washer_M3_6mm_0.8mm 28.4,92.6 r0 top
W4 "washer_M3_6mm_0.8mm" washer_M3_6mm_0.8mm 28.4,7.6 r0 top

## Footprints (in the part's own frame and the unit in brackets; to place one, negate y for a bottom-side part, rotate by r counter-clockwise, add the part's x,y. Pads: shape width x height; smd on the part's side, far side on the other; paste and mask are expansions set on the pad)
3M_N2526-6002RB [mm] "26 Contacts - Straight .100\" x .100\" Low Profile Four-Wall Header"
  round 1.6 hole 1: 1(-15.24,-1.27) 2(-15.24,1.27) 3(-12.7,-1.27) 4(-12.7,1.27) 5(-10.16,-1.27) 6(-10.16,1.27) 7(-7.62,-1.27) 8(-7.62,1.27) 9(-5.08,-1.27) 10(-5.08,1.27) 11(-2.54,-1.27) 12(-2.54,1.27) 13(0,-1.27) 14(0,1.27) 15(2.54,-1.27) 16(2.54,1.27) 17(5.08,-1.27) 18(5.08,1.27) 19(7.62,-1.27) 20(7.62,1.27) 21(10.16,-1.27) 22(10.16,1.27) 23(12.7,-1.27) 24(12.7,1.27) 25(15.24,-1.27) 26(15.24,1.27)
  silkscreen extent -20.17,-4.85 20.17,4.52, body extent -20.17,-4.11 20.17,4.52, height 9.91
BOSSARD_BN5687-3061605_v [mm] "M3 L=6mm Hexalobular Socket Pan Head Screw, Fully Threaded - Stainless Steel A2"
  silkscreen extent -4,-4 4,4, body extent -2.8,-2.8 2.8,2.8, height 22.9
CAPC2012X135N [mm] "Chip Capacitor, Body 2.0x1.25mm, IPC Medium Density"
  rect 1.05x1.4 smd: 1(-0.9,0) 2(0.9,0)
  silkscreen extent 0,-0.58 0,0.58, body extent -1.05,-0.67 1.05,0.68, height 1.25
FIDUCIAL_TOP_C100-200 [mm] "Round Fiducial Target, Top Layer, 1.0mm, Top Solder 2.0mm, Keepout =2.0mm"
  round 1 smd paste-0.51 mask+0.5: FTG2(0,0)
  L1 keep-out circle w0.1: c0,0 r1
FIDUCIAL_TOP_S100-200 [mm] "Square Fiducial Target, Top Layer, 1.0mm, Top Solder 2.0mm, Keepout =2.0mm"
  rect 1x1 smd rot 45 paste-0.51 mask+0.5: 1(0,0)
  L1 keep-out region: 1.414,0 0,-1.414 -1.414,0 0,1.414
IND_WURTH_WE-SL2 [mm] "Common Mode SMD Line Filter WE-SL2"
  rect 2x1.2 smd: 1(-3.75,1.27) 2(-3.75,-1.27) 3(3.75,-1.27) 4(3.75,1.27)
  silkscreen extent -4.75,-3.15 4.75,3.15, body extent -4.75,-3.15 4.75,3.15, height 5.3
MOLX-52559-3252 [mm] "FPC Connector, 32-Leads, Vertical, Pitch 0.5 mm, Mated Height 3.9 mm, SMT"
  rect 0.6x1.5 smd: 1(-7.75,-1.4) 2(-7.25,1.4) 3(-6.75,-1.4) 4(-6.25,1.4) 5(-5.75,-1.4) 6(-5.25,1.4) 7(-4.75,-1.4) 8(-4.25,1.4) 9(-3.75,-1.4) 10(-3.25,1.4) 11(-2.75,-1.4) 12(-2.25,1.4) 13(-1.75,-1.4) 14(-1.25,1.4) 15(-0.75,-1.4) 16(-0.25,1.4) 17(0.25,-1.4) 18(0.75,1.4) 19(1.25,-1.4) 20(1.75,1.4) 21(2.25,-1.4) 22(2.75,1.4) 23(3.25,-1.4) 24(3.75,1.4) 25(4.25,-1.4) 26(4.75,1.4) 27(5.25,-1.4) 28(5.75,1.4) 29(6.25,-1.4) 30(6.75,1.4) 31(7.25,-1.4) 32(7.75,1.4)
  rect 0.8x1.5 smd: MP1(-8.75,-1.4) MP2(-8.75,1.4) MP3(8.75,-1.4) MP4(8.75,1.4)
  silkscreen extent -10.45,-2.82 10.45,1.15, body extent -10.85,-1.65 10.85,1.85, height 5.3
MTG270_500 [mm] "Plated Through Hole: Hole Dia.=2.7mm Pad Dia.=5.0mm"
  round 5 / inner round 4 / far side round 5 hole 2.7: 1(0,0)
MTG320_700 [mm] "Plated Through Hole: Hole Dia.=3.2mm Pad Dia.=7.0mm"
  round 7 hole 3.2: 1(0,0)
R30-1001802 [mm] "Harwin R30-100 18mm hex standoff"
  body extent -2.83,-2.45 2.83,2.45, height 18.8
RESC1608X55N [mm] "Chip Resistor, EIA 0603, Metric 1608, Body 1.6x0.8mm, IPC Medium Density"
  rect 0.9x1 smd: 1(-0.8,0) 2(0.8,0)
  body extent -0.87,-0.47 0.88,0.48, height 0.55
SMTC-ESW-113-23-X-D [mm] "Elevated Socket, 2x13 Pins, Vertical, 2.54mm Pitch, Female"
  rect 1.55x1.55 hole 1.04: 1(0,0)
  round 1.55 hole 1.04: 2(0,-2.54) 3(2.54,0) 4(2.54,-2.54) 5(5.08,0) 6(5.08,-2.54) 7(7.62,0) 8(7.62,-2.54) 9(10.16,0) 10(10.16,-2.54) 11(12.7,0) 12(12.7,-2.54) 13(15.24,0) 14(15.24,-2.54) 15(17.78,0) 16(17.78,-2.54) 17(20.32,0) 18(20.32,-2.54) 19(22.86,0) 20(22.86,-2.54) 21(25.4,0) 22(25.4,-2.54) 23(27.94,0) 24(27.94,-2.54) 25(30.48,0) 26(30.48,-2.54)
  silkscreen extent -1.65,-3.74 32.13,1.2, body extent -1.52,-3.81 32,1.27, height 13.59
washer_M3_6mm_0.8mm [mm] "M3 washer accu HAFZ-M3-A4"
  body extent -3,-3 3,3, height 0.8